# Altium PCB LimeSDR_1v2.PcbDoc (part 7 of 9)
Units mm, origin at the board's own origin, x right, y up, seen from the top; angles counter-clockwise.
Board outline 100 x 60 mm, 12 copper layers (Top, L2, L3, L4, L5, L6, L7, L8, L9, L10, L11, Bottom), stack 1.58 mm thick; 795 components, 584 nets, 3859 pads, 2074 vias.
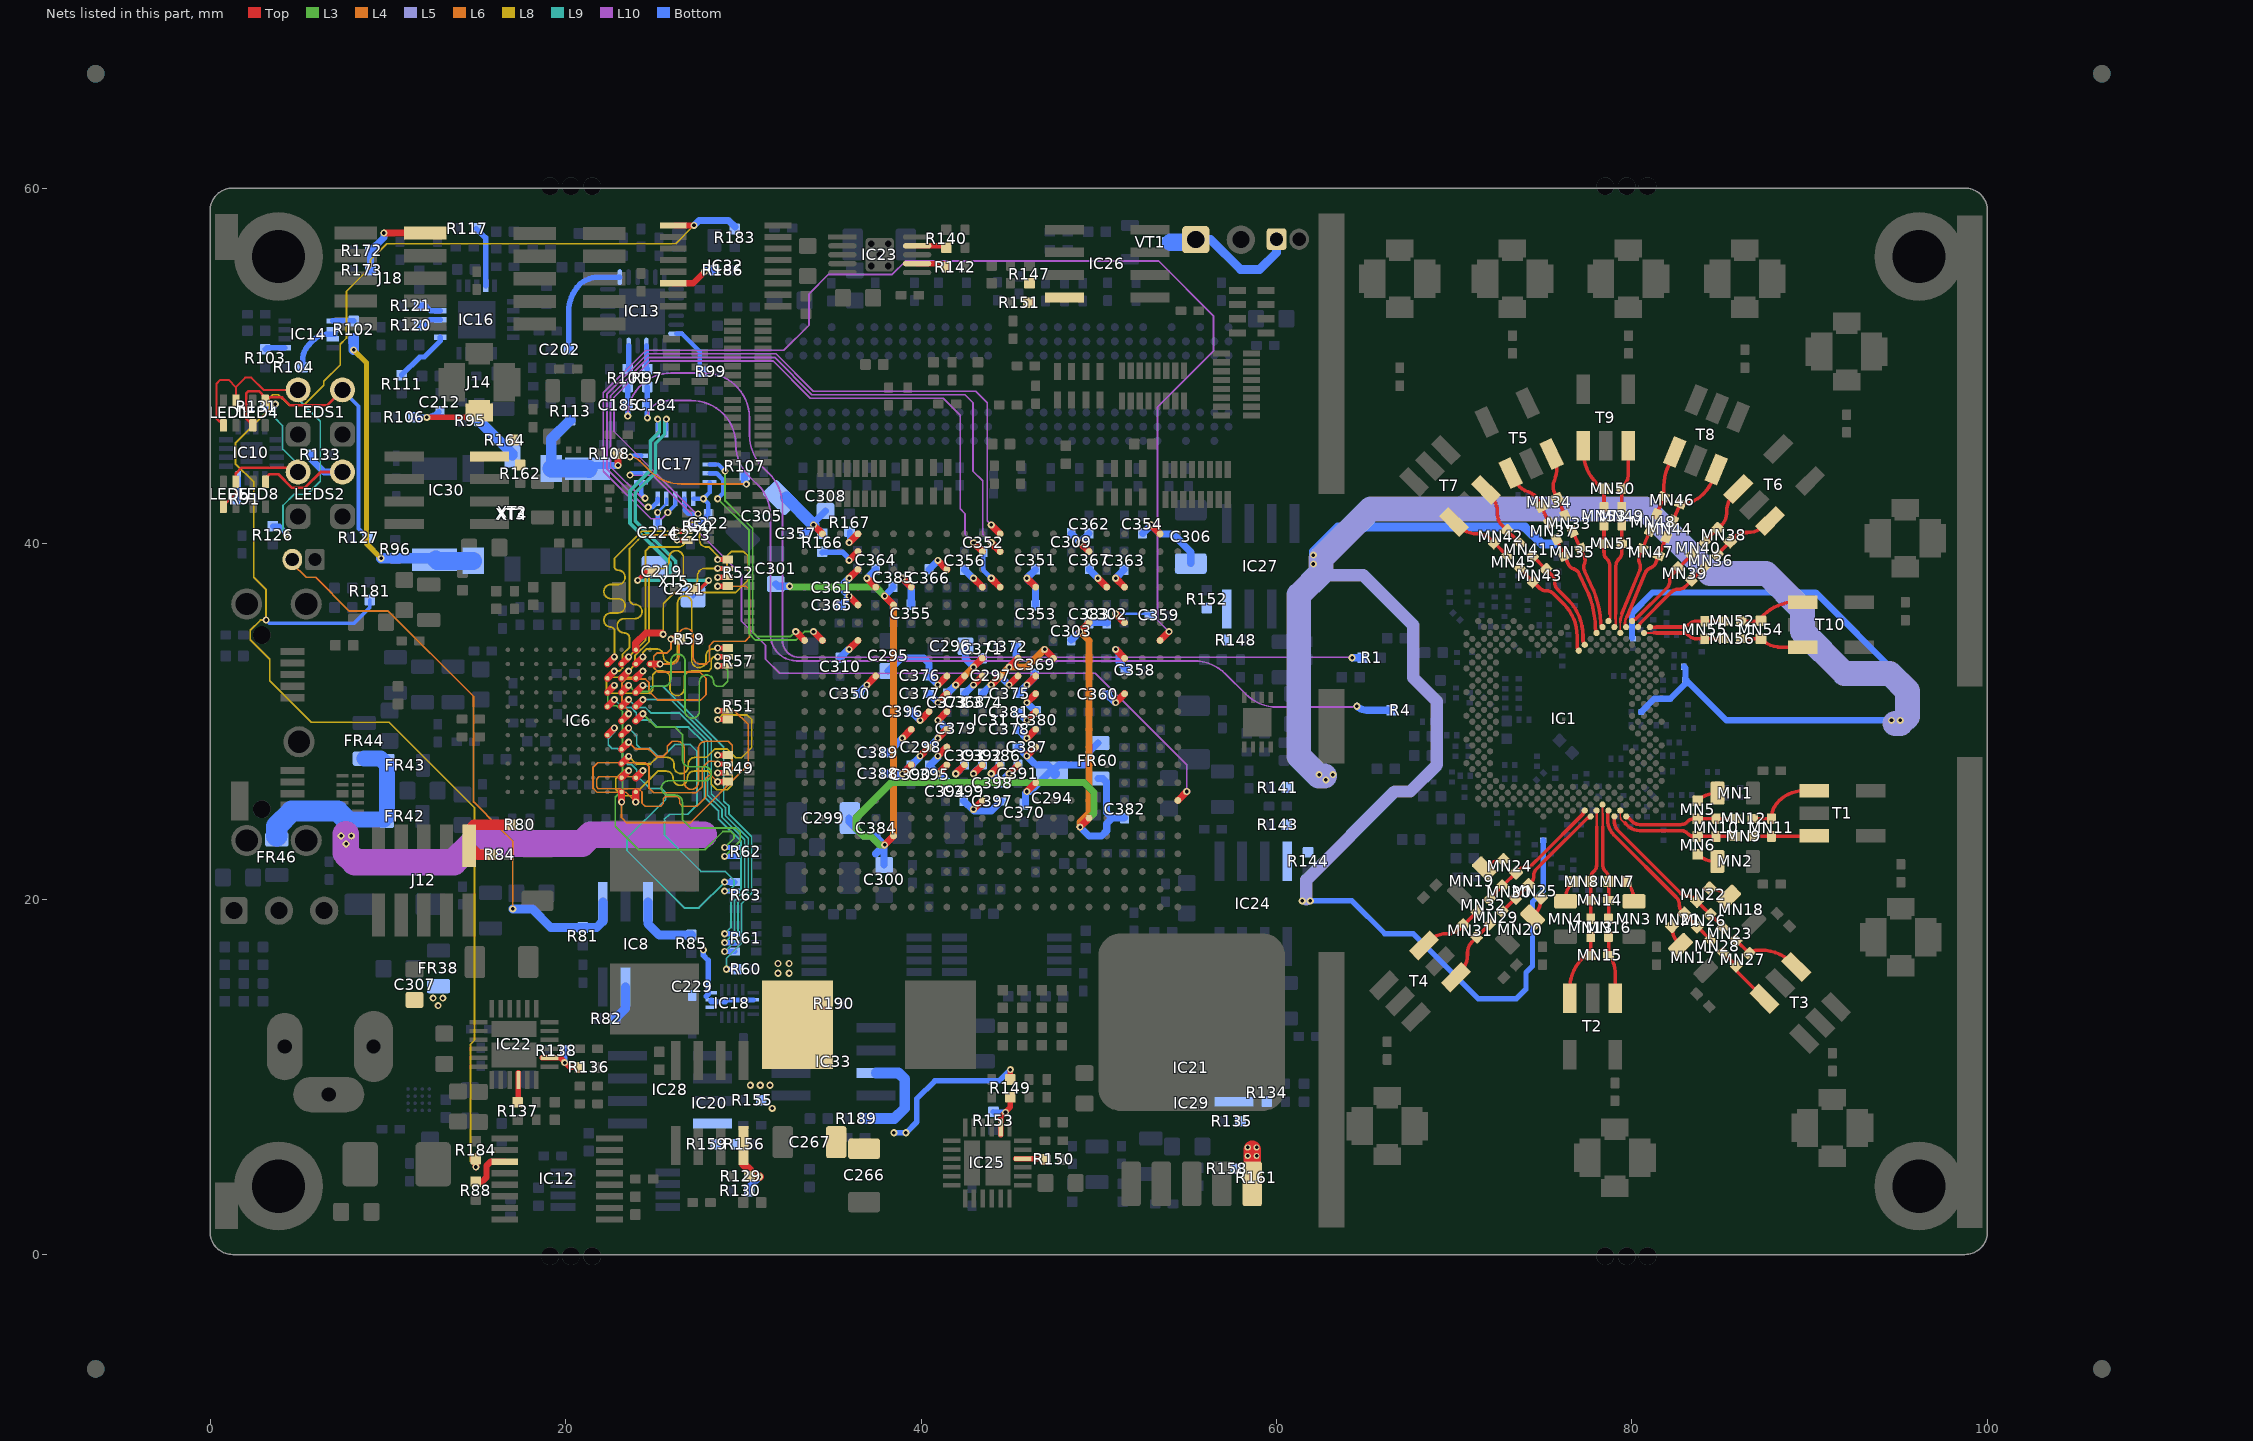
[diagram p17: the nets of this part, all layers, seen from the top]

## Via types
v1: diameter 0.4, hole 0.2, Top to Bottom, tented both sides, 1226 vias
v2: diameter 0.4, hole 0.2, Top to Bottom, tented top, 420 vias
v3: diameter 0.4, hole 0.2, Top to Bottom, 281 vias
v4: diameter 0.35, hole 0.2, Top to Bottom, tented top, 86 vias
v5: diameter 0.35, hole 0.2, Top to Bottom, tented both sides, 41 vias
v6: diameter 0.5, hole 0.2, Top to Bottom, tented both sides, 20 vias

## Nets (pads, with @x,y where several pads share a name; then routed paths per layer and width w, separated by ;. In a path a pad name is that pad's centre, name@x,y a point inside that pad or via, vN(x,y) a via of type N, cw(c..) or ccw(c..) an arc to the next point about the centre after c; other vN are vias at no path point) (continued)
NetIC6_H5: IC6.H5 R63.7 | length 18.5
  Top w0.4: IC6.H5@22.35,29.225 v2(22.75,29.625)
  L9 w0.1: v2(22.75,29.625) 22.75,29.375 22.4,29.025 22.4,28.68 22.605,28.475 22.9,28.475 23.2,28.175 23.2,27.875 23.5,27.575 23.695,27.575 24,27.27 24,26.95 24.725,26.225 25.392,26.225 25.625,25.992 25.625,25.6 23.45,23.425 23.45,22.733 26.683,19.5 27.5,19.5 v1(28.95,20.95)
  Bottom w0.3: v1(28.95,20.95) R63.7@29.525,20.95
NetIC6_H7: IC6.H7 R61.5 | length 19.3
  Top w0.4: IC6.H7@22.35,30.825 v2(22.75,31.225)
  L9 w0.1: v2(22.75,31.225) 23.2,30.775 23.695,30.775 23.978,30.492 23.978,30.302 24.205,30.075 24.771,30.075 25.171,29.675 26.912,29.675 27.8,28.787 27.8,25.764 28.6,24.964 28.6,24.528 29.875,23.253 29.875,20.566 29.3,19.991 29.3,18.4 v1(28.95,18.05)
  Bottom w0.3: v1(28.95,18.05) R61.5@29.525,18.05
NetIC6_H8: IC6.H8 R62.5 | length 18.6
  Top w0.4: IC6.H8@22.35,31.625 v2(22.75,32.025)
  L3 w0.1: v2(22.75,32.025) 22.375,31.65 22.375,31.05 22.55,30.875 22.875,30.875 23.2,30.55 23.2,26.125 22.8,25.725 22.8,24.1 24.125,22.775 27.83,22.775 28.855,23.8 29.3,23.8 29.475,23.625 29.475,23.425 v1(28.95,22.9)
  Bottom w0.3: v1(28.95,22.9) R62.5@29.525,22.9
NetIC6_H9: IC6.H9 R50.7 | length 14.2
  Top w0.3: v1(26.275,40.2) R50.7@26.85,40.2
  Top w0.4: IC6.H9@22.35,32.425 v2(22.75,32.825)
  L8 w0.1: v2(22.75,32.825) 23.025,32.825 23.2,33 23.2,33.77 23.6,34.17 23.6,34.575 23.6,34.676 ccw(c23.301,34.676) 23.301,34.975 cw(c23.301,35.375) 22.901,35.375 cw(c23.301,35.375) 23.301,35.775 23.6,35.775 23.9,35.775 ccw(c23.9,36.175) 24.3,36.175 ccw(c23.9,36.175) 23.9,36.575 cw(c23.9,36.875) 23.6,36.875 23.6,37.375 23.6,38.025 23.6,39.725 ; v1(26.275,40.2) 26,40.475 24.35,40.475 24.075,40.2 ; 23.6,39.725 24.075,40.2 ; 23.6,39.725 24.075,40.2
NetIC6_H10: IC6.H10 R50.5 | length 14.1
  Top w0.3: v1(26.275,40.7) R50.5@26.85,40.7
  Top w0.4: IC6.H10@22.35,33.225 v2(22.75,33.625)
  L8 w0.1: v2(22.75,33.625) 22.75,34.75 22.75,35.1 ccw(c22.55,35.1) 22.55,35.3 cw(c22.55,35.7) 22.15,35.7 cw(c22.55,35.7) 22.55,36.1 22.75,36.1 22.95,36.1 ccw(c22.95,36.5) 23.35,36.5 ccw(c22.95,36.5) 22.95,36.9 22.75,36.9 22.55,36.9 cw(c22.55,37.3) 22.15,37.3 cw(c22.55,37.3) 22.55,37.7 22.75,37.7 22.95,37.7 ccw(c22.95,38.1) 23.35,38.1 ccw(c22.95,38.1) 22.95,38.5 cw(c22.95,38.7) 22.75,38.7 22.75,38.9 22.75,39.175 24.275,40.7 v1(26.275,40.7)
NetIC6_J1: IC6.J1 R51.4 | length 14.9
  Top w0.3: v1(28.55,30.6) R51.4@29.125,30.6
  Top w0.4: v2(23.15,25.459) IC6.J1@23.15,26.025
  L4 w0.1: v2(23.15,25.459) 23.15,24.575 23.425,24.3 27.028,24.3 30.275,27.547 30.275,29.825 29.5,30.6 v1(28.55,30.6)
NetIC6_J2: IC6.J2 R49.8 | length 14.1
  Top w0.3: v1(28.55,28.1) R49.8@29.125,28.1
  Top w0.4: IC6.J2@23.15,26.825 v2(23.55,27.225)
  L8 w0.1: v2(23.55,27.225) 23.275,27.225 22.825,26.775 22.825,26.175 23.191,25.809 23.805,25.809 25.196,27.2 25.65,27.2 cw(c25.65,26.8) 26.05,26.8 ccw(c26.45,26.8) 26.45,26.4 ccw(c26.45,26.8) 26.85,26.8 cw(c27.25,26.8) 27.25,27.2 27.475,27.2 28.025,27.2 28.2,27.025 28.2,26.455 28.505,26.15 29.1,26.15 29.375,26.425 29.375,27.825 29.1,28.1 v1(28.55,28.1)
NetIC6_J3: IC6.J3 R51.2 | length 13.9
  Top w0.3: v1(28.55,30.1) R51.2@29.125,30.1
  Top w0.4: IC6.J3@23.15,27.625 v2(23.55,28.025)
  L8 w0.1: v2(23.55,28.025) 23.975,27.6 24.775,27.6 25.15,27.975 25.7,27.975 cw(c25.7,27.575) 26.1,27.575 26.1,27.461 ccw(c26.5,27.461) 26.5,27.061 ccw(c26.5,27.461) 26.9,27.461 26.9,27.575 cw(c27.3,27.575) 27.3,27.975 27.625,27.975 27.93,27.975 28.405,28.45 29.08,28.45 29.58,27.95 29.9,27.95 30.475,28.525 30.475,30.1 30.225,30.35 28.8,30.35 v1(28.55,30.1)
NetIC6_J4: IC6.J4 R49.4 | length 14.9
  Top w0.3: v1(28.55,27.1) R49.4@29.125,27.1
  Top w0.4: IC6.J4@23.15,28.425 v2(23.55,28.825)
  L4 w0.1: v2(23.55,28.825) 23.925,28.45 24.675,28.45 25.1,28.025 25.5,28.025 25.725,28.25 25.725,28.6 26,28.875 26.025,28.875 26.275,28.875 cw(c26.275,28.475) 26.675,28.475 26.675,26.575 ccw(c27.075,26.575) 27.075,26.175 ccw(c27.075,26.575) 27.475,26.575 27.475,28.475 cw(c27.875,28.475) 27.875,28.875 29.15,28.875 29.375,28.65 29.375,27.275 29.2,27.1 v1(28.55,27.1)
NetIC6_J5: IC6.J5 R63.5 | length 18.4
  Top w0.4: IC6.J5@23.15,29.225 v2(23.55,29.625)
  L9 w0.1: v2(23.55,29.625) 24,29.175 24,28.68 24.205,28.475 24.75,28.475 25.2,28.025 25.5,28.025 26.175,28.7 27,28.7 27.4,28.3 27.4,25.3 26.875,24.775 25.85,24.775 25.558,24.483 25.558,23.617 27.625,21.55 28.975,21.55 29.475,21.05 29.475,20.75 29.175,20.45 v1(28.95,20.45)
  Bottom w0.3: v1(28.95,20.45) R63.5@29.525,20.45
NetIC6_J6: IC6.J6 R59.2 | length 15.1
  Top w0.4: IC6.J6@23.15,30.025 v2(23.55,30.425) ; v1(25.925,34.625) R59.2@26.45,34.625
  L4 w0.1: v2(23.55,30.425) 23.55,30.583 23.175,30.958 23.175,32.15 23.4,32.375 24.495,32.375 24.7,32.17 24.7,31.675 25.175,31.2 27.6,31.2 27.9,31.5 27.9,32.425 27.55,32.775 25.2,32.775 24.966,33.009 24.966,33.666 25.15,33.85 25.725,33.85 25.925,34.05 v1(25.925,34.625)
NetIC6_J7: IC6.J7 R61.3 | length 19.2
  Top w0.4: IC6.J7@23.15,30.825 v2(23.55,31.225)
  L9 w0.1: v2(23.55,31.225) 24,30.775 24.495,30.775 24.795,30.475 26.395,30.475 28,28.87 28,25.847 28.8,25.047 28.8,24.611 30.075,23.336 30.075,20.483 29.5,19.908 29.5,18.1 v1(28.95,17.55)
  Bottom w0.3: v1(28.95,17.55) R61.3@29.525,17.55
NetIC6_J8: IC6.J8 R57.5 | length 15.6
  Top w0.3: v1(28.55,33.125) R57.5@29.125,33.125
  Top w0.4: IC6.J8@23.15,31.625 v2(23.55,32.025)
  L3 w0.1: v2(23.55,32.025) 23.9,31.675 24.666,31.675 24.966,31.975 25.525,31.975 ccw(c25.525,32.375) 25.925,32.375 25.925,33.375 cw(c26.325,33.375) 26.325,33.775 cw(c26.325,33.375) 26.725,33.375 26.725,31.975 26.725,30.575 ccw(c27.125,30.575) 27.125,30.175 ccw(c27.125,30.575) 27.525,30.575 27.525,31.975 27.525,32.21 cw(c27.925,32.21) 27.925,32.61 cw(c27.925,32.21) 28.325,32.21 ccw(c28.56,32.21) 28.56,31.975 28.85,31.975 29.125,32.25 29.125,32.875 28.875,33.125 v1(28.55,33.125)
NetIC6_J9: IC6.J9 R52.3 | length 14.1
  Top w0.3: v1(28.55,38.6) R52.3@29.125,38.6
  Top w0.4: IC6.J9@23.15,32.425 v2(23.55,32.825)
  L8 w0.1: v2(23.55,32.825) 23.9,33.175 23.9,33.692 24.7,34.492 24.7,38.45 24.85,38.6 25.425,38.6 ccw(c25.425,39) 25.825,39 25.825,39.2 cw(c26.225,39.2) 26.225,39.6 cw(c26.225,39.2) 26.625,39.2 26.625,38.6 26.625,38 ccw(c27.025,38) 27.025,37.6 ccw(c27.025,38) 27.425,38 27.425,38.2 cw(c27.825,38.2) 27.825,38.6 28.025,38.6 v1(28.55,38.6)
NetIC6_J10: IC6.J10 R52.1 | length 14.2
  Top w0.3: v1(28.55,39.1) R52.1@29.125,39.1
  Top w0.4: IC6.J10@23.15,33.225 v2(23.55,33.625)
  L8 w0.1: v2(23.55,33.625) 24.5,34.575 24.5,39.6 24.7,39.8 26.338,39.8 ccw(c26.338,40.2) 26.738,40.2 26.738,40.8 cw(c27.137,40.8) 27.137,41.2 cw(c27.138,40.8) 27.538,40.8 27.538,40.2 ccw(c27.938,40.2) 27.938,39.8 28.075,39.8 28.55,39.325 v1(28.55,39.1)
NetIC6_K1: IC6.K1 R49.6 | length 15
  Top w0.3: v1(28.55,27.6) R49.6@29.125,27.6
  Top w0.4: v2(23.95,25.459) IC6.K1@23.95,26.025
  L4 w0.1: v2(23.95,25.459) 23.4,26.009 21.766,26.009 21.55,26.225 21.55,27.425 21.8,27.675 24.475,27.675 24.7,27.45 24.7,26.225 24.95,25.975 27.34,25.975 27.691,26.326 27.691,27.391 28.05,27.75 28.4,27.75 v1(28.55,27.6)
NetIC6_K2: IC6.K2 R49.2 | length 14.4
  Top w0.3: v1(28.55,26.6) R49.2@29.125,26.6
  Top w0.4: IC6.K2@23.95,26.825 v2(24.35,27.225)
  L4 w0.1: v2(24.35,27.225) 24.35,27 24.225,26.875 21.875,26.875 21.75,26.75 21.75,26.308 21.849,26.209 24.116,26.209 24.3,26.025 24.3,25.4 24.475,25.225 25.35,25.225 25.5,25.375 25.5,25.65 25.625,25.775 26.275,25.775 26.425,25.625 26.425,25.375 26.575,25.225 27.387,25.225 27.891,25.729 27.891,26.791 28.05,26.95 28.2,26.95 v1(28.55,26.6)
NetIC6_K6: IC6.K6 R62.3 | length 18.5
  Top w0.4: IC6.K6@23.95,30.025 v2(24.35,30.425)
  L3 w0.1: v2(24.35,30.425) 25.1,29.675 26.161,29.675 26.575,29.261 26.575,27.9 26.575,27.85 ccw(c26.975,27.85) 26.975,27.45 27.802,27.45 cw(c27.802,27.05) 28.202,27.05 cw(c27.802,27.05) 27.802,26.65 26.575,26.65 25.797,26.65 ccw(c25.797,26.25) 25.397,26.25 ccw(c25.797,26.25) 25.797,25.85 26.175,25.85 cw(c26.175,25.45) 26.575,25.45 26.575,24.475 27.05,24 29.575,24 29.825,23.75 29.825,23.275 v1(28.95,22.4)
  Bottom w0.3: v1(28.95,22.4) R62.3@29.525,22.4
NetIC6_K7: IC6.K7 R61.1 | length 19.2
  Top w0.4: IC6.K7@23.95,30.825 v2(24.35,31.225)
  L9 w0.1: v2(24.35,31.225) 25.928,31.225 28.2,28.953 28.2,25.93 29,25.13 29,24.694 30.275,23.419 30.275,20.4 29.7,19.825 29.7,17.8 v1(28.95,17.05)
  Bottom w0.3: v1(28.95,17.05) R61.1@29.525,17.05
NetIC6_K8: IC6.K8 R60.1 | length 20.9
  Top w0.4: IC6.K8@23.95,31.625 v2(24.35,32.025)
  L9 w0.1: v2(24.35,32.025) 24.4,31.975 25.461,31.975 28.9,28.536 28.9,25.513 29.2,25.213 29.2,24.776 30.475,23.501 30.475,20.317 29.9,19.742 29.9,17.505 29.05,16.655 v1(29.05,16.05)
  Bottom w0.3: v1(29.05,16.05) R60.1@29.625,16.05
NetIC6_K9: IC6.K9 R57.3 | length 14
  Top w0.3: v1(28.55,33.625) R57.3@29.125,33.625
  Top w0.4: IC6.K9@23.95,32.425 v2(24.35,32.825)
  L8 w0.1: v2(24.35,32.825) 24,32.475 22.5,32.475 22.3,32.275 22.3,31.775 22.5,31.575 24.725,31.575 24.9,31.75 24.9,32.625 25.1,32.825 25.475,32.825 cw(c25.475,32.425) 25.875,32.425 25.875,31.85 ccw(c26.275,31.85) 26.275,31.45 ccw(c26.275,31.85) 26.675,31.85 26.675,32.425 cw(c27.075,32.425) 27.075,32.825 27.35,32.825 28.05,32.825 28.2,32.975 28.2,33.5 28.325,33.625 v1(28.55,33.625)
NetIC6_K10: IC6.K10 R57.1 | length 13.9
  Top w0.3: v1(28.55,34.125) R57.1@29.125,34.125
  Top w0.4: IC6.K10@23.95,33.225 v2(24.35,33.625)
  L8 w0.1: v2(24.35,33.625) 24.35,33.85 24.575,34.075 25.1,34.075 25.12,34.075 cw(c25.12,33.695) 25.5,33.695 ccw(c25.9,33.695) 25.9,33.295 ccw(c25.9,33.695) 26.3,33.695 26.3,34.075 26.3,36.65 cw(c26.7,36.65) 26.7,37.05 cw(c26.7,36.65) 27.1,36.65 27.1,34.075 27.1,33.425 ccw(c27.5,33.425) 27.5,33.025 ccw(c27.5,33.425) 27.9,33.425 27.9,33.675 cw(c28.3,33.675) 28.3,34.075 28.4,34.075 28.5,34.075 v1(28.55,34.125)
NetIC6_K11: IC6.K11 R52.5 | length 14.2
  Top w0.3: v1(28.55,38.1) R52.5@29.125,38.1
  Top w0.4: IC6.K11@23.95,34.025 23.95,34.4 24.525,34.975 25.416,34.975 v2(25.491,34.9)
  L8 w0.1: v2(25.491,34.9) 25.491,36.616 26.142,37.267 26.883,37.267 26.899,37.25 29.575,37.25 30.275,37.95 30.275,39.3 30.025,39.55 29.325,39.55 29.075,39.3 29.075,38.25 28.925,38.1 v1(28.55,38.1)
NetIC6_L10: IC6.L10 R52.7 | length 15.2
  Top w0.3: v1(28.55,37.6) R52.7@29.125,37.6
  Top w0.4: IC6.L10@24.75,33.225 v2(25.316,33.225)
  L4 w0.1: v2(25.316,33.225) 25.975,33.225 ccw(c25.975,33.625) 26.375,33.625 26.375,34.825 cw(c26.775,34.825) 26.775,35.225 cw(c26.775,34.825) 27.175,34.825 27.175,33.625 ccw(c27.575,33.625) 27.575,33.225 27.7,33.225 27.925,33.225 28.1,33.4 28.1,34.255 28.345,34.5 30.1,34.5 30.35,34.75 30.35,37.4 30.15,37.6 v1(28.55,37.6)
NetIC8_1: IC8.1 J13.2 R81.2 | length 33.1
  L4 w0.1: J13.2@4.63,39.1 4.63,38.87 5.4,38.1 5.933,38.1 7.833,36.2 10.022,36.2 14.825,31.397 14.825,30.789 14.825,25.467 16.299,23.994 17.025,23.267 v1(17.025,19.45)
  Bottom w0.5: v1(17.025,19.45) 18.125,19.45 19.175,18.4 R81.2@20.975,18.4 21.75,18.4 22.095,18.745 IC8.1@22.095,19.85
NetIC8_3: IC8.3 R85.2 | length 3.9
  Bottom w0.5: IC8.3@24.635,19.85 24.635,18.615 25.275,17.975 R85.2@27.075,17.975
NetIC8_7: IC8.7 R82.2 | length 2
  Bottom w0.5: R82.2@22.8,13.275 23.365,13.84 IC8.7@23.365,15.05
NetIC10_16: IC10.16 R91.2 | length 1.2
  Bottom w0.3: R91.2@1.475,42.5 1.575,42.6 IC10.16@1.575,43.675
NetIC12_3: IC12.3 R88.2 | length 2.5
  Top w0.35: R88.2@14.95,4.1 15.3,4.1 15.55,4.35 15.55,5 15.775,5.225 IC12.3@16.575,5.225
NetIC13_3: IC13.3 R97.2 | length 1.3
  Bottom w0.3: IC13.3@24.55,51.138 24.55,49.863 R97.2@24.6,49.813
NetIC13_5: IC13.5 R101.2 | length 1.3
  Bottom w0.3: R101.2@23.5,49.813 23.55,49.863 IC13.5@23.55,51.138
NetIC13_24: IC13.24 R99.2 | length 2.9
  Bottom w0.25: IC13.24@26.225,51.813 26.55,51.813 27.55,50.813 27.55,49.8 R99.2@27.675,49.675
NetIC14_1: IC14.1 R102.1 | length 1.2
  Bottom w0.309: IC14.1@6.9,52.525 R102.1@8.075,52.525
NetIC14_2: IC14.2 IC14.3 R104.2 | length 3
  Bottom w0.309: R104.2@5.2,49.925 5.2,50.3 cw(c6.467,50.3) 5.571,51.196 5.875,51.5 ; 5.875,51.5 cw(c6.539,50.836) 6.539,51.775 7,51.775
NetIC14_5: IC14.5 R103.2 | length 1.1
  Bottom w0.3: R103.2@3.1,50.925 3.2,51.025 IC14.5@4.2,51.025
NetIC16_11: IC16.11 R111.1 | length 3.2
  Bottom w0.3: R111.1@10.775,49.475 11.8,50.5 12.05,50.5 12.95,51.4 IC16.11@12.95,51.6
NetIC16_13: IC16.13 R120.2 | length 1.3
  Bottom w0.3: R120.2@11.775,52.275 12.05,52.275 12.375,52.6 IC16.13@12.95,52.6
NetIC16_14: IC16.14 R121.2 | length 1.3
  Bottom w0.3: R121.2@11.775,53.375 12.125,53.375 12.4,53.1 IC16.14@12.95,53.1
NetIC16_19: IC16.19 R117.1 | length 3.4
  Bottom w0.3: R117.1@14.975,57.725 15.5,57.2 IC16.19@15.5,54.5
NetIC20_4: IC20.4 R129.2 R130.2 | length 3.5
  Top w0.5: IC20.4@30.005,6.125 30.005,5.095 30.35,4.75 R129.2@30.35,4.4 30.875,4.4 v1(30.9,4.375)
  Bottom w0.4: R130.2@30.325,3.575 30.325,3.8 v1(30.9,4.375)
NetIC21_4: IC21.4 R134.2 R135.2
NetIC22_2: IC22.2 R136.2 R138.2 | length 3
  Top w0.309: IC22.2@18.7,11.075 IC22.2@19.1,11.075 19.7,11.075 20.25,10.525 R136.2@20.8,10.525
  Bottom w0.309: v1(19.95,10.8) 19.95,11.45 R138.2@19.975,11.475
NetIC22_22: IC22.22 R137.1 | length 1.6
  Top w0.309: R137.1@17.35,8.625 IC22.22@17.35,10.225
NetIC23_7: IC23.7 R142.2 | length 1.7
  Top w0.3: IC23.7@39.775,55.75 41.225,55.75 R142.2@41.425,55.55
NetIC23_9: IC23.9 R140.2 | length 1.7
  Top w0.3: IC23.9@39.775,56.75 41.325,56.75 R140.2@41.425,56.65
NetIC24_4: IC24.4 R143.2 R144.1
NetIC25_2: IC25.2 R149.2 R153.1 | length 3
  Top w0.309: IC25.2@44.475,6.75 IC25.2@44.475,7.15 44.475,7.75 45.025,8.3 R149.2@45.025,8.85
  Bottom w0.309: R153.1@44.075,8.025 44.1,8 v1(44.75,8)
NetIC25_22: IC25.22 R150.1 | length 1.6
  Top w0.309: IC25.22@45.325,5.4 R150.1@46.925,5.4
NetIC26_4: IC26.4 R147.2 R151.2
NetIC27_4: IC27.4 R148.2 R152.2
NetIC28_4: IC28.4 R156.2 R159.2
NetIC29_5: IC29.5 R158.2 R161.1 | length 1.9
  Top w1: IC29.5@58.635,3.975 58.635,5.905
  other v5: 58.375,5.55 58.875,5.55 58.375,6.025 58.875,6.025
NetIC30_4: IC30.4 R162.2 R164.2
NetIC31_AA19: IC31.AA19 R166.1 | length 2.5
  Top w0.4: v1(35.95,39.05) IC31.AA19@36.45,39.55
  Bottom w0.309: R166.1@34.454,39.479 34.454,39.505 35.595,39.505 35.95,39.15 v1(35.95,39.05)
NetIC31_AB19: IC31.AB19 R167.2 | length 1.3
  Top w0.4: v1(35.95,40.05) IC31.AB19@36.45,40.55
  Bottom w0.309: v1(35.95,40.05) 35.975,40.075 R167.2@35.975,40.675
NetIC32_1: IC32.1 R181.1 R183.2 R184.1 | length 95.2
  Top w0.35: IC32.1@26.175,57.9 v1(27.225,57.9)
  Top w0.4: v1(14.95,4.925) R184.1@14.95,5.5
  L8 w0.1: v1(14.95,4.925) 14.65,5.225 14.65,11.83 14.875,12.055 14.875,25.141 10.066,29.95 5.7,29.95 3.357,32.293 3.357,33.481 2.257,34.581 2.257,35.119 2.838,35.7 v1(3.15,35.7) 3.15,37.399 2.45,38.099 2.45,43.472 1.425,44.497 1.425,45.653 3.325,47.553 3.325,48.17 3.53,48.375 3.845,48.375 4.42,47.8 5.302,47.8 6.4,48.898 6.4,49.125 7.325,50.05 7.325,51.216 7.675,51.566 7.675,54.2 9.025,55.55 9.025,55.97 9.93,56.875 26.2,56.875 v1(27.225,57.9)
  Bottom w0.2: v1(3.15,35.7) 3.325,35.525 8.1,35.525 8.975,36.4 R181.1@8.975,36.825
  Bottom w0.4: v1(27.225,57.9) 27.5,58.175 29.175,58.175 R183.2@29.525,57.825
NetIC32_6: IC32.6 R186.1 | length 2.6
  Top w0.35: IC32.6@26.05,54.65 27.175,54.65 v1(27.825,55.3)
  Bottom w0.35: v1(27.825,55.3) 27.9,55.375 R186.1@28.35,55.375
NetIC33_3: IC33.3 R190.2 | length 4.2
  Bottom w0.6: IC33.3@32.675,11.485 33.985,11.485 34.575,12.075 R190.2@34.575,14.1
NetIC33_7: IC33.7 R189.2 | length 5.9
  Bottom w0.6: R189.2@36.85,7.65 38.5,7.65 39.075,8.225 39.075,9.875 38.735,10.215 IC33.7@37.475,10.215
NetJ12_10: J12.10 R80.1 R84.2 | length 4.8
  Top w0.6: R84.2@15.8,22.5 15.075,22.5 J12.10@14.575,23 14.575,23.9 14.85,24.175 R80.1@16.925,24.175
NetJ18_2: J18.2 R172.2 R173.2 | length 4.7
  Top w0.4: v1(9.775,57.475) J18.2@12.1,57.475
  Bottom w0.4: R173.2@9.025,55.375 R172.2@9.025,56.475 9.775,57.225 v1(9.775,57.475)
NetJ19_1: J19.1 J20.1 VT1.D | length 7.6
  Bottom w0.5: J19.1@55.455,57.1 56.3,57.1 57.975,55.425 59.053,55.425 60,56.372 J20.1@60,57.125
  Bottom w1: VT1.D@54.05,56.95 J19.1@55.255,56.95
NetLED1_1: LED1.1 LED1.4 LEDS1.A1 R126.2 | length 19.6
  Top w0.12: LED1.4@0.75,46.65 0.36,47.04 0.36,48.994 0.576,49.21 1.04,49.21 1.445,48.805 1.976,49.335 2.322,49.335 3.007,48.65 LEDS1.A1@4.95,48.65 ; LED1.1@1.45,48.05 1.45,48.805
  L9 w0.1: v1(4.3,40.525) 4.1,40.725 4.1,42.142 4.733,42.775 5.468,42.775 6.2,43.507 6.2,46.873 4.95,48.123 LEDS1.A1@4.95,48.625
  Bottom w0.3: R126.2@3.525,40.975 3.9,40.975 v1@4.3,40.575
NetLED4_1: LED4.1 LED4.4 LEDS1.A2 R127.2 | length 17
  Top w0.15: LED4.4@2.4,46.65 2.025,47.025 2.025,48.443 2.157,48.575 2.75,48.575 3.1,48.225 4.05,48.225 4.5,47.775 6.575,47.775 LEDS1.A2@7.45,48.65
  Bottom w0.2: LEDS1.A2@7.45,48.625 8.35,47.725 8.35,40.85 R127.2@8.875,40.325 ; R127.2@8.788,40.237 R127.2@8.8,40.225
NetLED5_1: LED5.1 LED5.4 LEDS2.A1 R131.2 | length 10.9
  Top w0.15: LED5.4@0.75,42.075 0.75,42.143 1.45,42.843 LED5.1@1.45,43.475 1.45,43.95 1.775,44.275 4.7,44.275 LEDS2.A1@4.95,44.025
  L9 w0.1: v1(3.675,47.85) 3.6,47.775 3.6,47.1 4.075,46.625 4.075,45.325 4.95,44.45 LEDS2.A1@4.95,44.025
  Bottom w0.4: R131.2@3.125,47.7 3.525,47.7 v1(3.675,47.85)
NetLED8_1: LED8.1 LEDS2.A2 R133.2 | length 7.6
  Top w0.15: LED8.1@3.125,43.475 3.125,43.675 3.35,43.9 3.838,43.9 4.588,43.15 5.35,43.15 6.225,44.025 LEDS2.A2@7.45,44.025
  Bottom w0.4: R133.2@5.7,45 5.7,44.725 6.4,44.025 LEDS2.A2@7.45,44.025
NetMN1_1: MN1.1 MN5.2 | length 1.2
  Top w0.2: MN5.2@83.695,25.523 cw(c84.72,24.498) 84.72,25.947 MN1.1@84.805,25.947
NetMN2_1: MN2.1 MN6.2 | length 1.2
  Top w0.2: MN6.2@83.695,22.523 ccw(c84.711,23.538) 84.711,22.102 MN2.1@84.806,22.102
NetMN3_1: MN3.1 MN7.2 | length 1.2
  Top w0.2: MN7.2@79.68,20.984 cw(c78.656,19.959) 80.105,19.959 MN3.1@80.105,19.874
NetMN4_1: MN4.1 MN8.2 | length 1.2
  Top w0.2: MN4.1@76.26,19.874 76.26,19.969 cw(c77.696,19.969) MN8.2@76.681,20.984
NetMN17_1: MN17.1 MN21.2 | length 1.2
  Top w0.2: MN21.2@82.242,18.466 ccw(c83.678,18.466) 82.663,17.45 MN17.1@82.73,17.383
NetMN18_1: MN18.1 MN22.2 | length 1.2
  Top w0.2: MN22.2@84.364,20.587 cw(c84.364,19.137) 85.389,20.162 MN18.1@85.449,20.102
NetMN19_1: MN19.1 MN24.2 | length 1.2
  Top w0.2: MN19.1@71.689,21.711 71.756,21.778 cw(c72.771,20.763) MN24.2@72.771,22.199
NetMN20_1: MN20.1 MN25.2 | length 1.2
  Top w0.2: MN20.1@74.408,18.993 74.468,19.053 ccw(c73.443,20.077) MN25.2@74.892,20.077